# Altium PCB PowerSupply-Motherboard.PcbDoc (part 2 of 2)
Units mil, origin at the board's own origin, x right, y up, seen from the top; angles counter-clockwise.
Board outline 3937.01 x 1574.8 mil, 4 copper layers (L1, L2, L3, L4), stack 59.72 mil thick; 138 components, 76 nets, 435 pads, 157 vias.
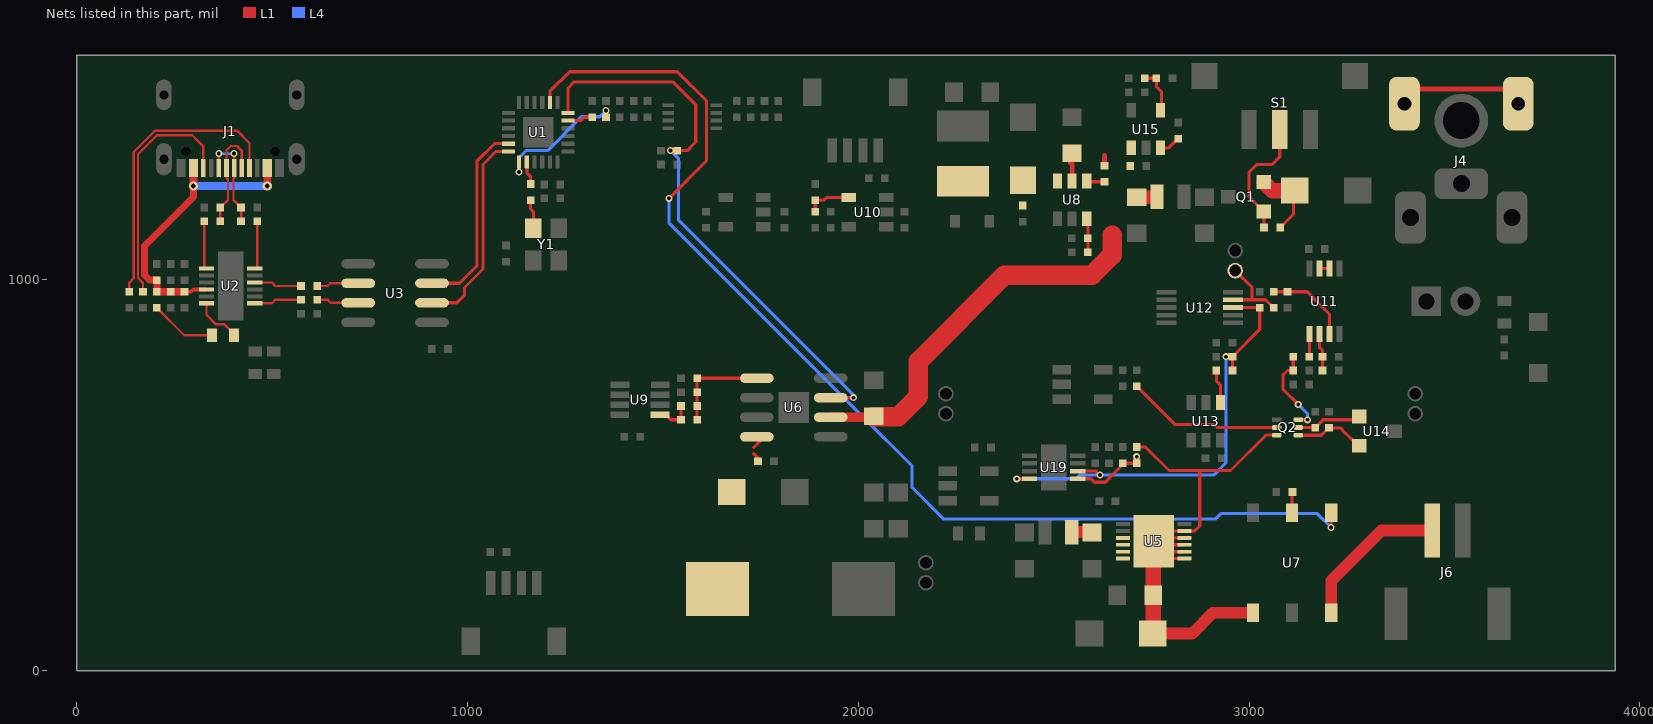
[diagram p4: the nets of this part, all layers, seen from the top]

## Via types
v1: diameter 18, hole 10, L1 to L4, tented both sides, 118 vias
v2: diameter 23.62, hole 11.81, L1 to L4, tented both sides, 39 vias

## Nets (pads, with @x,y where several pads share a name; then routed paths per layer and width w, separated by ;. In a path a pad name is that pad's centre, name@x,y a point inside that pad or via, vN(x,y) a via of type N, cw(c..) or ccw(c..) an arc to the next point about the centre after c; other vN are vias at no path point) (continued)
NetC33_2: C33.2 R34.2 U11.3 | length 242.1
  L1 w8: R34.2@3062.99,969.49 3091.54,969.49 C33.2@3094.49,972.44 ; C33.2@3098.43,969.49 3148.62,969.49 3173.23,944.88 ; 3153.54,964.57 3205.72,912.39 U11.3@3205.72,861.81
NetC34_2: C34.2 U15.3 | length 49.9
  L1 w8: U15.3@2773.62,1337.6 2794.29,1337.6 C34.2@2814.96,1358.27
NetD1_1: D1.1 R1.1 | length 166.7
  L1 w6: R1.1@204.72,928.15 274.61,858.27 D1.1@342.52,858.27
NetD1_2: D1.2 U2.6 | length 113.7
  L1 w6: U2.6@331.69,939.96 331.69,910.56 356.43,885.83 377.95,885.83 D1.2@397.64,866.14
NetD2_2: D2.2 Q1.3 R20.1 | length 195.6
  L1 w8: R20.1@3079.72,1133.86 3114.17,1168.31 3114.17,1228.35 D2.2@3114.17,1232.28
  L1 w40: Q1.3@3039.37,1248.03 3059.05,1228.35 D2.2@3114.17,1228.35
NetJ1_A5: J1.A5 R10.2 | length 758
  L1 w6: R10.2@133.86,969.49 133.86,992.13 145.23,1003.5 145.23,1326.33 200.79,1381.89 409.45,1381.89 441.91,1349.43 J1.A5@441.91,1286.12
NetJ1_B5: J1.B5 R9.2 | length 612.4
  L1 w6: R9.2@169.29,969.49 169.29,992.13 156.23,1005.19 156.23,1321.58 204.72,1370.08 295.28,1370.08 311.02,1354.33 323.8,1341.55 J1.B5@323.8,1286.12
NetJ4_4: J4.4 J4.5 | length 299
  L1 w12: J4.4@3397.64,1450.79 3435.04,1488.19 J4.5@3681.1,1488.19
NetJ6_1: J6.1 U7.6 | length 397.1
  L1 w25: J6.1@3466.14,359.84 J6.1@3468.5,362.2
  L1 w30: U7.6@3210.24,147.64 3210.24,229.92 3338.58,358.27 J6.1@3468.5,358.27
NetQ1_1: Q1.1 R20.2 S1.2 | length 317
  L1 w8: Q1.1@3031.5,1181.1 3000,1212.6 3000,1275.59 3019.68,1295.28 3059.06,1295.28 3078.74,1314.96 S1.2@3078.74,1384.84 ; Q1.1@3035.43,1177.17 3038.39,1174.21 R20.2@3038.39,1133.86
NetQ2_2: Q2.2 R39.1 | length 401.9
  L1 w8: R39.1@2712.6,727.36 2809.85,630.11 2910.48,630.11 2918.55,622.05 Q2.2@3070.87,622.05
NetQ2_4: Q2.4 R45.2 U14.2 | length 194.2
  L1 w8: Q2.4@3125.98,602.36 3125.98,602.22 3184.9,602.22 R45.2@3200.79,618.11 ; R45.2@3204.72,621.06 3233.27,621.06 3248.03,606.3 ; 3236.22,618.11 3279.15,575.18 U14.2@3281.71,575.18
NetQ2_5: Q2.5 R35.2 U14.1 | length 159.8
  L1 w8: Q2.5@3125.98,622.05 R35.2@3169.29,622.05 ; R35.2@3169.29,621.06 3189.96,641.73 3271.65,641.73 U14.1@3275.59,637.8
NetQ2_6: Q2.6 R30.1 R33.2 | length 228.1
  L1 w8: R33.2@3110.24,799.21 3113.19,796.26 R30.1@3113.19,767.72 3098.43,767.72 3086.61,755.91 3086.61,720.47 v1(3125.98,681.1) ; Q2.6@3125.98,641.73 v1(3149.61,641.73)
  L4 w8: v1(3125.98,681.1) 3149.61,657.48 v1(3149.61,641.73)
NetR2_1: R2.1 U1.1 | length 331.2
  L1 w8: v1(1131.89,1275.59) U1.1@1131.89,1297.24
  L4 w8: v1(1131.89,1275.59) 1131.89,1312.99 1141.73,1322.83 1149.61,1330.71 1204.72,1330.71 1291.34,1417.32 1338.58,1417.32 v1(1354.33,1433.07)
NetR3_1: R3.1 U1.11 | length 65.3
  L1 w8: U1.11@1257.28,1407.48 1289.37,1407.48 1298.23,1416.34 R3.1@1318.9,1416.34
NetR8_2: R8.2 U2.12 | length 122.9
  L1 w6: U2.12@460.63,1027.56 461.61,1028.54 461.61,1148.62 R8.2@460.63,1149.61
NetR11_2: R11.2 U2.1 | length 124.5
  L1 w6: U2.1@322.83,1027.56 325.79,1030.51 325.79,1146.65 R11.2@322.83,1149.61
NetR13_1: R13.1 U3.7 | length 105
  L1 w6: R13.1@618.11,948.82 641.73,948.82 649.37,941.18 U3.7@719.96,941.18
NetR13_2: R13.2 U2.7 | length 121.8
  L1 w6: U2.7@455.71,939.96 499.02,939.96 500,940.94 507.87,948.82 R13.2@573.82,948.82
NetR14_1: R14.1 U3.6 | length 112.6
  L1 w6: R14.1@610.24,984.25 R14.1@615.16,984.25 641.73,984.25 648.66,991.18 U3.6@719.96,991.18
NetR14_2: R14.2 U2.10 | length 122.8
  L1 w6: U2.10@455.71,993.11 499.02,993.11 507.87,984.25 R14.2@573.82,984.25 ; R14.2@573.82,980.32 R14.2@574.8,980.32
NetR16_1: R16.1 Y1.3 | length 74.5
  L1 w8: R16.1@1161.42,1203.74 1161.42,1181.1 1168.29,1174.23 Y1.3@1168.29,1132.05
NetR16_2: R16.2 U1.2 | length 57.8
  L1 w8: U1.2@1151.57,1301.77 1151.57,1273.62 1161.42,1263.78 R16.2@1161.42,1248.03
NetR22_2: R22.2 R23.2 R24.2 R25.1 U6.5 | length 245.1
  L1 w8: R24.2@1586.61,677.17 1587.6,676.18 R25.1@1587.6,641.73 ; R23.2@1586.61,712.6 1587.6,711.61 R24.2@1587.6,677.17 ; R23.2@1587.6,712.6 1587.6,745.08 R22.2@1590.55,748.03 ; R22.2@1587.6,748.03 U6.5@1724.41,748.03
NetR24_1: R24.1 R25.2 U9.1 | length 75.2
  L1 w8: U9.1@1507.87,653.54 1519.68,641.73 R25.2@1546.26,641.73 1546.26,672.24 R24.1@1547.24,673.23
NetR26_2: R26.2 U7.2 | length 53.1
  L1 w8: U7.2@3110.24,403.54 R26.2@3110.24,456.69
NetR27_2: R27.2 R28.1 U11.2 | length 97.8
  L1 w8: U11.2@3180.12,861.81 3180.12,827.76 3187.99,819.88 R27.2@3187.99,803.15 ; R28.1@3187.99,767.72 3187.99,802.17 R27.2@3188.98,803.15
NetR29_2: R29.2 U8.4 | length 43.7
  L1 w8: U8.4@2586.61,1251.97 2587.6,1250.98 R29.2@2629.92,1250.98
NetR31_1: R31.1 R36.1 U10.4 | length 112.5
  L1 w8: R31.1@1889.76,1174.21 R36.1@1889.76,1203.74 R36.1@1889.76,1204.72 ; R36.1@1893.7,1204.72 1913.39,1204.72 1919.29,1210.63 1970.47,1210.63 U10.4@1972.44,1208.66
NetR32_1: R32.1 R37.1 U8.3 | length 89.1
  L1 w8: U8.3@2582.68,1153.54 2587.6,1148.62 R37.1@2587.6,1106.3 R32.1@2587.6,1070.87 2587.6,1067.91 R32.1@2586.61,1066.93
NetR33_1: R33.1 U11.1 | length 55.5
  L1 w8: U11.1@3153.54,858.27 3154.53,857.28 R33.1@3154.53,803.15
NetR41_2: R41.2 U13.1 | length 86.2
  L1 w8: R41.2@2916.34,767.72 2916.34,741.14 2921.26,736.22 2927.16,730.32 U13.1@2927.16,686.03
NetR44_1: R44.1 R46.1 U15.4 | length 110.6
  L1 w8: R44.1@2733.27,1515.75 R46.1@2759.84,1515.75 ; R46.1@2762.8,1515.75 2762.8,1494.94 2775.59,1482.15 U15.4@2775.59,1437.01
NetU11_6: U11.6 U11.7 | length 25.1
  L1 w8: U11.7@3180.12,1028.74 3203.54,1028.74 U11.6@3204.72,1027.56
OUT_EN: U1.14 U7.1 | length 2926.9
  L1 w8: U1.14@1210.63,1454.13 1210.63,1482.28 1261.03,1532.69 1536.88,1532.69 1611.43,1458.14 1611.43,1304.34 v1(1515.75,1208.66) ; v1(3210.24,366.14) 3210.24,395.28 U7.1@3212.6,397.64
  L4 w8: v1(1515.75,1208.66) 1515.75,1145.21 2011.36,649.61 2011.81,649.61 2137.8,523.62 2137.8,468.5 2218.79,387.51 2913.77,387.51 2927.83,401.57 3174.8,401.57 v1(3210.24,366.14)
PWR_EN: R21.1 U1.12 U6.3 | length 1451
  L1 w8: U1.12@1257.28,1427.17 1257.28,1490.87 1273.1,1506.69 1524.81,1506.69 1583.87,1447.63 1583.87,1352.77 1561.8,1330.71 R21.1@1536.42,1330.71 ; U6.3@1952.76,696.85 1954.13,698.23 v1(1988.19,698.23)
  L1 w18: v1(1519.68,1330.71) R21.1@1535.43,1330.71
  L4 w8: v1(1519.68,1330.71) 1539.37,1311.02 1539.37,1153.54 1988.19,704.72 v1(1988.19,698.23)
SWA: C26.1 D6.2 L4.1 U8.6
SWB: C15.1 D4.2 L3.1 U6.8 | length 50.1
  L1 w8: 1732.28,555.12 C15.1@1748.03,539.37 ; 1732.28,570.87 U6.8@1751.97,590.55
USB_N: C12.2 J1.A7 J1.B7 R11.1 | length 285
  L1 w6: C12.2@366.14,1185.04 367.13,1184.06 R11.1@367.13,1149.61 ; C12.2@367.13,1185.04 386.7,1204.61 386.7,1256.64 382.86,1260.48 J1.A7@382.86,1286.12 382.86,1331.68 393.7,1342.52 409.45,1342.52 422.23,1329.74 J1.B7@422.23,1286.12
USB_P: C11.2 J1.A6 J1.B6 R8.1 | length 244.7
  L1 w6: J1.B6@362.2,1295.28 363.17,1296.24 v1(363.17,1322.83) ; J1.A6@401.57,1291.34 402.54,1292.31 v1(402.54,1322.83) ; J1.A6@402.54,1286.12 402.54,1260.48 400.7,1258.64 400.7,1204.61 C11.2@420.28,1185.04 ; R8.1@420.28,1149.61 420.28,1184.06 421.26,1185.04 C11.2@420.77,1185.53
  L4 w6: v1(363.17,1322.83) v1@401.57,1322.83
USB_RX: U1.23 U3.3 | length 500.8
  L1 w8: U3.3@908.94,991.18 979.37,991.18 1023.62,1035.43 1023.62,1303.15 1068.9,1348.43 U1.23@1104.92,1348.43
USB_TX: U1.24 U3.2 | length 524.9
  L1 w8: U3.2@908.94,941.18 972.68,941.18 992.13,960.63 992.13,980.32 1039.37,1027.56 1039.37,1295.28 1072.83,1328.74 U1.24@1104.92,1328.74
V+: C20.2 C21.2 C32.2 C41.2 L1.2 R29.1 U6.2 U8.5 U15.1 | length 1120.4
  L1 w12: 2543.31,1299.21 2547.25,1295.27 U8.5@2547.25,1252.95 ; R29.1@2629.92,1292.32 2629.92,1318.9
  L1 w25: U6.2@1929.28,648.23 2036.81,648.23 C21.2@2039.37,645.67 ; C20.2@2711.61,1217.52 C20.2@2712.6,1216.54 ; L1.2@2762.8,1211.61 L1.2@2763.78,1212.6
  L1 w35: C20.2@2712.6,1211.61 L1.2@2762.8,1211.61
  L1 w50: C21.2@2039.37,649.61 2102.36,649.61 2153.54,700.79 2153.54,791.34 2374.02,1011.81 2594.49,1011.81 ; 2598.43,1011.81 2649.61,1062.99 2649.61,1114.17
VBUS: C1.2 C5.2 J1.A4_B9 J1.B4_A9 R1.2 R15.1 U2.4 | length 750.9
  L1 w10: C5.2@275.59,969.49 292.32,969.49 298.23,975.39 U2.4@331.69,975.39
  L1 w18: R1.2@204.72,969.49 239.17,969.49 C1.2@240.16,968.5 ; R1.2@204.72,972.44 R15.1@204.72,999.02 186.29,999.02 186.29,999.17 173.23,1012.23 173.23,1086.61 298.23,1211.61 v2(298.23,1240.16) ; C1.2@240.16,969.49 270.67,969.49 C5.2@271.65,968.5
  L1 w20: J1.B4_A9@298.23,1286.12 298.23,1241.14 v2@299.21,1240.16 ; v2@487.2,1241.14 J1.A4_B9@487.2,1286.12
  L4 w20: v2(298.23,1240.16) v2(487.2,1240.16) v2@488.19,1240.16
VIN: C17.2 L2.2 U5.9 U5.10 U5.11 U5.12 | length 52.2
  L1 w30: L2.2@2546.26,354.33 C17.2@2598.43,354.33
VOUT: C18.2 D3.2 Q2.3 R38.2 U5.1 U5.2 U5.3 U5.4 U5.5 U5.13 U7.4 | length 1296.9
  L1 w8: R38.2@2712.6,571.85 2735.24,571.85 2795.28,511.81 2952.76,511.81 3043.31,602.36 Q2.3@3070.87,602.36 ; U5.13@2787.4,291.34 2792.32,286.42 U5.1@2834.65,286.42 ; U5.13@2791.34,303.15 2792.32,304.13 U5.2@2834.65,304.13 ; U5.13@2795.28,358.27 2796.26,357.28 U5.5@2834.65,357.28 2861.22,357.28 2874.02,370.08 2874.02,511.81 ; U5.13@2799.21,318.9 2802.17,321.85 U5.3@2834.65,321.85 ; U5.13@2803.15,338.58 2804.13,339.57 U5.4@2834.65,339.57
  L1 w25: D3.2@2754.92,99.41 D3.2@2755.91,98.43
  L1 w30: D3.2@2753.23,94.49 2854.33,94.49 2907.48,147.64 U7.4@3010.24,147.64
  L1 w40: D3.2@2754.92,99.41 C18.2@2754.92,192.91 2754.92,306.1 U5.13@2755.91,307.09
VREF: C35.2 C37.2 R41.1 U12.3 U19.2 U19.8 | length 1179.4
  L1 w8: v1(2405.51,490.79) U19.8@2426.54,490.79 ; U19.2@2562.06,510.46 2603.71,510.46 2607.65,510.46 v1(2618.11,500) v1@2614.17,500 ; R41.1@2957.68,767.72 C37.2@2957.68,802.17 ; C37.2@2957.68,803.15 3027.56,873.03 C35.2@3027.56,928.15 C35.2@3027.56,929.13 ; U12.3@2958.67,929.13 C35.2@3023.62,929.13
  L1 w18: v1(2940.94,803.15) C37.2@2956.69,803.15
  L4 w8: v1(2405.51,490.79) 2557.72,490.79 2566.93,500 v1(2618.11,500) 2909.45,500 2940.94,531.5 v1(2940.94,803.15)
VSENSE: R38.1 R43.1 U19.1 | length 187.6
  L1 w8: U19.1@2562.06,490.78 2595.84,490.78 2604.61,482 2631.61,482 2673.23,523.62 R43.1@2673.23,527.56 ; R43.1@2677.17,530.51 2711.61,530.51 R38.1@2712.6,531.5
  L1 w18: R38.1@2712.6,531.5 v1(2712.6,547.24)
"VSET OUT": R34.1 TP3.1 U12.4 | length 205.6
  L1 w8: U12.4@2958.67,948.82 3007.87,948.82 ; TP3.1@2964.57,1023.62 3007.87,980.31 3007.87,948.82 ; R34.1@3062.99,928.15 3042.32,948.82 3007.87,948.82
pads on no net: J1. J1.A8 J1.B8 J4.0 J6.S1 J6.S2 S1.3 S1.4 S1.5 U1.3 U1.8 U1.15 U1.17 U1.18 U1.19 U1.20 U1.21 U1.22 U2.8 U2.11 U6.4 U7.3 U7.5 U9.8 U16.4 Y1.1

## Polygon pours and split planes (outlines as drawn)
VIN on L1 "L1-VIN" (solid, pour order 38): 2696.85,279.53 2629.35,279.53 2598.14,307.09 2598.14,378.24 2649.75,378.24 2649.75,358.7 2661.42,347.03 2696.85,347.03
GND on L1 "L1-GND" (solid, remove dead copper, pour order 40): 0,0 0,1574.8 3937.01,1574.8 3937.01,0
V+ on L1 "L1-V+" (solid, pour order 16): 2523.62,1299.21 2535.43,1287.4 2535.43,1271.65 2559.06,1271.65 2559.06,1287.4 2578.74,1307.09 2637.8,1307.09 2645.67,1299.21 2645.67,1240.16 2637.8,1232.28 2622.05,1232.28 2614.17,1224.41 2614.17,1098.43 2629.92,1082.68 2669.29,1082.68 2681.1,1094.49 2681.1,1181.1 2688.98,1188.98 2736.22,1188.98 2736.22,1248.03 2704.72,1279.53 2704.72,1314.96 2712.6,1322.83 2712.6,1358.27 2531.5,1358.27 2523.62,1350.39
CS+ on L1 "L1-CS+" (solid, pour order 36): 2244.09,322.83 2232.28,311.02 2122.05,311.02 2110.24,299.21 2110.24,137.8 2096.46,127.95 1929.13,127.95 1919.29,137.8 1921.26,303.15 1933.07,314.96 1933.07,377.95 1944.88,389.76 2232.28,389.76 2244.09,377.95
SWB on L1 "L1-SWB" (solid, pour order 30): 1545.28,137.8 1564.96,118.11 1722.44,118.11 1742.13,137.8 1742.13,275.59 1722.44,295.28 1722.44,511.81 1742.13,531.5 1742.13,610.24 1584.65,610.24 1564.96,590.55 1564.96,413.39 1545.28,393.7
SWA on L1 "L1-SWA" (solid, pour order 8): 2440.94,1181.1 2511.81,1181.1 2523.62,1192.91 2523.62,1279.53 2511.81,1291.34 2200.79,1291.34 2188.98,1279.53 2188.98,1192.91 2200.79,1181.1 2401.57,1181.1
+5.5V on L1 "L1-+5.5V" (solid, pour order 10): 2204.72,1350.39 2196.85,1358.27 2196.85,1527.56 2204.73,1535.43 2271.65,1535.43 2279.53,1527.56 2279.53,1444.88 2291.34,1433.07 2334.65,1433.07 2342.52,1425.2 2342.52,1358.27 2334.65,1350.39
GND on L2 "L2-GND_Plane" (solid, remove dead copper, pour order 42): 0,0 0,1574.8 3937.01,1574.8 3937.01,0
EARTH on L2 "L2-EARTH" (solid, pour order 39): 0,1574.8 807.09,1574.8 807.09,846.46 748.03,787.4 0,787.4
GND on L3 "L3-GND_Plane" (solid, remove dead copper, pour order 44): 0,0 0,1574.8 3937.01,1574.8 3937.01,0
GND on L4 "L4-GND" (solid, remove dead copper, pour order 45): 0,0 0,1574.8 3937.01,1574.8 3937.01,0

## Keep-outs
L1:
  circle w5: c982.12,1379.92 r43
  circle w5: c3738.03,1025.59 r43
  circle w5: c1375.82,198.82 r43
  region: 118.11,1574.8 0,1574.8 0,0 118.11,0
  region: 3937.01,1574.8 3818.9,1574.8 3818.9,0 3937.01,0
L4:
  region: 3937.01,1574.8 3818.9,1574.8 3818.9,0 3937.01,0
Keep-Out Layer:
  region: 118.11,1574.8 0,1574.8 0,0 118.11,0

## Other copper
L1:
  rectangle net GND: 2303.15,1460.63 2334.65,1496.06
  rectangle net GND: 2531.5,1374.02 2562.99,1405.51
  rectangle net GND: 2023.62,696.85 2059.06,728.35
  rectangle net GND: 1787.4,433.07 1830.71,472.44
  rectangle net GND: 2023.62,417.32 2051.18,440.94
  rectangle net GND: 2086.61,421.26 2122.05,452.76
  rectangle net GND: 2618.11,78.74 2665.35,114.17
  rectangle net GND: 2677.17,185.04 2704.72,204.72
  rectangle net GND: 2578.74,263.78 2618.11,307.09
  rectangle net GND: 2409.45,267.72 2440.94,311.02
  rectangle net GND: 2874.02,1137.8 2901.57,1165.35
  rectangle net GND: 2700.79,1137.8 2724.41,1165.35
  rectangle net V+: 2633.86,1287.4 2657.48,1314.96
  pour cut-out: 1102.36,830.71 1137.8,830.71 1137.8,326.77 1102.36,326.77
  pour cut-out: 433.07,767.72 433.07,791.34 531.5,791.34 531.5,767.72
  pour cut-out: 2413.39,586.61 2586.61,586.61 2586.61,452.76 2413.39,452.76
  pour cut-out: 1074.8,1271.65 1074.8,1484.25 1287.4,1484.25 1287.4,1271.65
  pour cut-out: 0,1574.8 0,787.4 777.56,787.4 814.96,824.8 814.96,1574.8
  region: 990.39,1410.69 990.7,1409.92 990.7,1388.5 1012.12,1388.5 1012.89,1388.19 1013.2,1387.42 1013.2,1372.42 1012.89,1371.66 1012.12,1371.34 990.7,1371.34 990.7,1349.92 990.39,1349.16 989.62,1348.84 974.62,1348.84 973.85,1349.16 973.54,1349.92 973.54,1371.34 952.12,1371.34 951.35,1371.66 951.04,1372.42 951.04,1387.42 951.35,1388.19 952.12,1388.5 973.68,1388.5 973.54,1409.91 973.54,1409.92 973.69,1410.3 973.85,1410.68 973.85,1410.69 974.23,1410.84 974.61,1411 974.62,1411 989.62,1411
  region: 3746.29,1056.36 3746.61,1055.59 3746.61,1034.17 3768.03,1034.17 3768.79,1033.86 3769.11,1033.09 3769.11,1018.09 3768.79,1017.33 3768.03,1017.01 3746.61,1017.01 3746.61,995.59 3746.29,994.83 3745.53,994.51 3730.53,994.51 3729.76,994.83 3729.44,995.59 3729.44,1017.01 3708.03,1017.01 3707.26,1017.33 3706.94,1018.09 3706.94,1033.09 3707.26,1033.86 3708.03,1034.17 3729.59,1034.17 3729.44,1055.58 3729.44,1055.59 3729.6,1055.97 3729.76,1056.35 3729.76,1056.36 3730.14,1056.51 3730.52,1056.67 3730.53,1056.67 3745.53,1056.67
  region: 1384.09,229.58 1384.4,228.82 1384.4,207.4 1405.82,207.4 1406.59,207.08 1406.9,206.32 1406.9,191.32 1406.59,190.55 1405.82,190.24 1384.4,190.24 1384.4,168.82 1384.09,168.05 1383.32,167.74 1368.32,167.74 1367.56,168.05 1367.24,168.82 1367.24,190.24 1345.82,190.24 1345.06,190.55 1344.74,191.32 1344.74,206.32 1345.06,207.08 1345.82,207.4 1367.38,207.4 1367.24,228.81 1367.24,228.82 1367.39,229.2 1367.55,229.58 1367.56,229.58 1367.93,229.74 1368.31,229.9 1368.32,229.9 1383.32,229.9
L4:
  pour cut-out: 0,1574.8 0,787.4 777.56,787.4 814.96,824.8 814.96,1574.8

## Silkscreen, mask and mechanical layers (free items; w line width, h text height)
Top Overlay:
  drawing of 244 lines, arcs and shapes, not listed
  text "ON" at 2854.33,1338.58 h40
  text "OFF" at 3208.66,1338.58 h40
  text "S" at 610.24,1141.73 h200
  text "GND" at 3000,1055.12 h40
  text "DAC" at 3000,1003.94 h40
  text "GND" at 2259.84,688.98 h40
  text "SET" at 3460.63,688.98 h40
  text "ISENSE" at 2259.84,637.8 h40
  text "GND" at 3460.63,637.8 h40
  text ".DocNumber" at 196.85,570.87 h120
  text "Rev" at 975.22,565.93 h60
  text ".Rev" at 1222.84,565.93 h60
  text ".Title1" at 196.85,452.76 h72
  text "Designed by Kyler Kidd" at 196.85,334.65 h80
  text "VREG" at 2208.66,255.91 h40
  text "CAUTION" at 519.68,216.54 h60
  text "GND" at 2208.66,204.72 h40
  text "VOUT" at 3779.53,118.11 h60 r90
  text "Handle assembly in / accordance with ESD / safe practices" at 519.68,88.43 h45
  text "I2C" at 1299.21,39.37 h60
Bottom Overlay:
  text "KJK 11/17/2022" at 944.88,39.37 h60
Top Solder:
  circle w10: c1375.98,198.82 r39.42
  circle w10: c982.28,1379.92 r39.42
  circle w10: c3738.19,1025.59 r39.42
  rectangle: 1338.58,182.09 1412.4,216.54
  rectangle: 1359.25,158.46 1390.75,239.17
  rectangle: 1345.47,215.55 1406.5,230.32
  rectangle: 1344.49,167.32 1406.5,183.07
  rectangle: 944.88,1363.19 1018.7,1397.64
  rectangle: 965.55,1339.57 997.05,1420.28
  rectangle: 951.77,1396.65 1012.8,1411.42
  rectangle: 950.79,1348.43 1012.8,1364.17
  rectangle: 3700.79,1008.86 3774.61,1043.31
  rectangle: 3721.46,985.24 3752.95,1065.94
  rectangle: 3707.68,1042.32 3768.7,1057.09
  rectangle: 3706.69,994.09 3768.7,1009.84
  region: 990.39,1410.69 990.7,1409.92 990.7,1388.5 1012.12,1388.5 1012.89,1388.19 1013.2,1387.42 1013.2,1372.42 1012.89,1371.66 1012.12,1371.34 990.7,1371.34 990.7,1349.92 990.39,1349.16 989.62,1348.84 974.62,1348.84 973.85,1349.16 973.54,1349.92 973.54,1371.34 952.12,1371.34 951.35,1371.66 951.04,1372.42 951.04,1387.42 951.35,1388.19 952.12,1388.5 973.68,1388.5 973.54,1409.91 973.54,1409.92 973.69,1410.3 973.85,1410.68 973.85,1410.69 974.23,1410.84 974.61,1411 974.62,1411 989.62,1411
  region: 3746.29,1056.36 3746.61,1055.59 3746.61,1034.17 3768.03,1034.17 3768.79,1033.86 3769.11,1033.09 3769.11,1018.09 3768.79,1017.33 3768.03,1017.01 3746.61,1017.01 3746.61,995.59 3746.29,994.83 3745.53,994.51 3730.53,994.51 3729.76,994.83 3729.44,995.59 3729.44,1017.01 3708.03,1017.01 3707.26,1017.33 3706.94,1018.09 3706.94,1033.09 3707.26,1033.86 3708.03,1034.17 3729.59,1034.17 3729.44,1055.58 3729.44,1055.59 3729.6,1055.97 3729.76,1056.35 3729.76,1056.36 3730.14,1056.51 3730.52,1056.67 3730.53,1056.67 3745.53,1056.67
  region: 1384.09,229.58 1384.4,228.82 1384.4,207.4 1405.82,207.4 1406.59,207.08 1406.9,206.32 1406.9,191.32 1406.59,190.55 1405.82,190.24 1384.4,190.24 1384.4,168.82 1384.09,168.05 1383.32,167.74 1368.32,167.74 1367.56,168.05 1367.24,168.82 1367.24,190.24 1345.82,190.24 1345.06,190.55 1344.74,191.32 1344.74,206.32 1345.06,207.08 1345.82,207.4 1367.38,207.4 1367.24,228.81 1367.24,228.82 1367.39,229.2 1367.55,229.58 1367.56,229.58 1367.93,229.74 1368.31,229.9 1368.32,229.9 1383.32,229.9
Mechanical 1:
  the board outline again, w10
ASSY_TOP:
  drawing of 322 lines, arcs and shapes, not listed
  text "SH" at 16220.59,10970.97 h100
  text "DWG NO" at 13261.83,10954.66 h100
  text ".DocNumber" at 13917.4,10842.82 h120
  text "2" at -7302.88,10823.61 h200
  text "4" at 1203.92,10823.61 h200
  text "8" at 17910.94,10823.61 h200
  text "1" at -11544.14,10817.32 h200
  text "3" at -3051.15,10817.32 h200
  text "5" at 5455.86,10817.32 h200
  text "6" at 9705.75,10817.32 h200
  text "1" at 16417.4,10802.82 h120
  text "REVISION HISTORY" at 14297.4,10551.71 h100
  text "REV" at 13337.4,10312.82 h100
  text "DESCRIPTION" at 15137.4,10312.82 h100
  text "DATE" at 17437.4,10312.82 h100
  text "APPROVED" at 18637.4,10312.82 h100
  text ".Hist1Rev" at 13373.03,10131.71 h100
  text ".Hist1Desc" at 13837.4,10112.82 h100
  text ".Hist1Date" at 17137.4,10112.82 h100
  text ".Hist1Appr" at 18337.4,10112.82 h100
  text "NOTES" at -12062.6,10062.6 h400
  text ".Hist2Rev" at 13373.03,9910.71 h100
  text ".Hist2Desc" at 13837.4,9891.82 h100
  text ".Hist2Date" at 17137.4,9891.82 h100
  text ".Hist2Appr" at 18337.4,9891.82 h100
  text "1. DIMENSIONING AND TOLERANCING PER ASME Y14.5M-1994" at -12062.6,9762.6 h200
  text ".Hist3Rev" at 13373.03,9690.71 h100
  text ".Hist3Desc" at 13837.4,9671.82 h100
  text ".Hist3Date" at 17137.4,9671.82 h100
  text ".Hist3Appr" at 18337.4,9671.82 h100
  text "2. INTERPRET PER ASME Y14.100M" at -12062.6,9462.6 h200
  text "3. ASSEMBLE PER IPC-A-610, CLASS 2" at -12062.6,9162.6 h200
  text "4. SOLDER PER J-STD-001, CLASS 2. USE LEAD-FREE SOLDER" at -12062.6,8862.6 h200
  text "5. ALL PARTS SHOWN MAY NOT BE INSTALLED. FOR SCHEMATIC, SEE SEPARATE PARTS LIST" at -12062.6,8562.6 h200
  text "A" at -13200.38,8317.11 h200
  text "A" at 19803.03,8317.11 h200
  text "6. DATA INCLUDED IN PARENTHESIS IS FOR REFERENCE ONLY" at -12062.6,8262.6 h200
  text "7. FOR COMPONENTS WITH REFERENCE DESIGNATORS, REFER TO PARTS LIST BY REFERENCE DESIGNATION" at -12062.6,7962.6 h200
  text "8. ELECTROSTATIC DISCHARGE CONTROL PROGRAM FOR PROTECTION OF ELECTRICAL AND ELECTRONIC" at -12062.6,7662.6 h200
  text "PARTS, ASSEMBLIES, AND EQUIPMENT SHALL BE PER IPC-610 OR BETTER" at -12062.6,7362.6 h200
  text "9. THE PCB MATERIAL MANUFACTURER'S RECOMMENDATIONS FOR PCB MATERIAL STORAGE, PRE-PROCESS" at -12062.6,7062.6 h200
  text "BAKEOUT, PROCESSING AND MATERIAL HANDLING SHALL BE STRICTLY FOLLOWED DURING ALL ASSEMBLY" at -11862.6,6762.6 h200
  text "PROCESSES. DEVIATION FROM THESE STANDARDS REQUIRES WRITTEN AUTHORIZATION FROM OCEAN OPTICS, INC" at -11862.6,6462.6 h200
  text "10. MARK LAST 3 DIGITS OF DRAWING NUMBER (-XXX) IN A CLEAR AND LEGIBLE MANNER USING POLYIMIDE BRADY LABEL" at -12162.6,6162.6 h200
  text "11. MARK DOCUMENT REVISION IN A CLEAR AND LEGIBLE MANNER USING POLYIMIDE BRADY LABEL" at -12162.6,5862.6 h200
  text "12. ALL PROCESSES AND PROCEDURES SHALL BE ROHS COMPLIANT" at -12162.6,5562.6 h200
  text "13. COMPLETED CIRCUIT CARD ASSEMBLIES SHALL BE PACKAGED INDIVIDUALLY" at -12162.6,5262.6 h200
  text "IN STATIC SHIELDING PACKAGING IN ACCORDANCE WITH ANSI/ESD-S-20.20" at -11862.6,4962.6 h200
  text "B" at -13202.36,2810.84 h200
  text "B" at 19801.05,2810.84 h200
  text "C" at -13179.35,-2680.24 h200
  text "C" at 19824.06,-2680.24 h200
  text "Dimensions in mm" at 17114.17,-4354.33 h250
  text "Scale  3:1" at 11181.1,-4606.3 h500
  text "SEE SEPARATE PARTS LIST." at 9227.4,-7357.18 h400
  text "DFTG" at 10837.4,-7708.29 h100
  text ".NameDftg" at 11357.4,-7708.29 h100
  text ".DateDftg" at 12917.4,-7708.29 h100
  text "UNLESS OTHERWISE SPECIFIED," at 8677.4,-7878.29 h80
  text "MATERIAL:" at 6190.4,-7887.18 h100
  text "ENG" at 10837.4,-7968.29 h100
  text ".NameEng" at 11357.4,-7968.29 h100
  text ".DateEng" at 12917.4,-7968.29 h100
  text "INCHES" at 10097.4,-8017.18 h80
  text "DIMENSIONS ARE IN" at 8677.4,-8018.29 h80
  text "D" at -13189.27,-8180.22 h200
  text "D" at 19814.13,-8180.22 h200
  text "MECH" at 10837.4,-8188.29 h100
  text "*" at 11357.4,-8208.29 h100
  text "*" at 12917.4,-8208.29 h100
  text "TITLE:" at 14451.98,-8288.3 h100
  text "TOLERANCES:" at 8677.4,-8328.29 h100
  text "SEE NOTES" at 6262.4,-8407.18 h100
  text "MFG" at 10837.4,-8448.29 h100
  text "*" at 11357.4,-8448.29 h100
  text "*" at 12917.4,-8468.29 h100
  text ".X +/- 0.1" at 8717.4,-8508.29 h100
  text ".XX +/- 0.01" at 8717.4,-8628.29 h100
  text ".TitleCCA" at 14712.4,-8642.18 h220
  text ".XXX +/- 0.001" at 8717.4,-8748.29 h100
  text ".Title0" at 16287.4,-9037.4 h220
  text "THIRD ANGLE PROJECTION" at 6247.4,-9203.18 h100
  text "ALL SHEETS ARE THE" at 8857.4,-9364.51 h100
  text ".Title1" at 15237.4,-9387.4 h220
  text "SAME REVISION STATUS" at 8764.9,-9544.51 h100
  text "SIZE" at 14457.4,-9668.29 h100
  text "DRAWING NUMBER" at 14837.4,-9668.29 h100
  text "REV" at 19052.83,-9729.35 h120
  text "D" at 14459.06,-9976.99 h200
  text ".DocNumber" at 14837.4,-9987.18 h260
  text ".Rev" at 19037.4,-9987.18 h200
  text "1" at 18437.4,-10187.18 h100
  text "2" at 19037.4,-10187.18 h100
  text "1:1" at 14987.4,-10197.18 h100
  text "SCALE" at 14435.22,-10204.05 h100
  text "SHEET   OF" at 17817.38,-10212.52 h100
  text "8" at 18127.4,-10627.18 h200
  text "1" at -11537.6,-10637.18 h200
  text "2" at -7302.88,-10676.3 h200
  text "4" at 1203.92,-10676.3 h200
  text "3" at -3051.15,-10682.59 h200
  text "5" at 5455.86,-10682.59 h200
  text "6" at 9705.75,-10682.59 h200
  text "7" at 13956.67,-10682.59 h200
Drill Drawing:
  lines w15: -10481.02,-7937.18 -10481.02,-7637.18 ; -9783.2,-7937.18 -9783.2,-7637.18 ; -8437.6,-7937.18 -8437.6,-7637.18 ; -7931.72,-7937.18 -7931.72,-7637.18 ; -11031.89,-7937.18 -7152.92,-7937.18 -7152.92,-7637.18 -11031.89,-7637.18 -11031.89,-7937.18 ; -11031.89,-7787.18 -7152.92,-7787.18 -11031.89,-7787.18
  text "Symbol" at -10941.89,-7742.18 h72
  text "Hit Count" at -10436.02,-7742.18 h72
  text "Finished Hole Size" at -9738.2,-7742.18 h72
  text "Plated" at -8392.6,-7742.18 h72
  text "Hole Type" at -7886.72,-7742.18 h72
ASSY_BOT:
  lines w7.8: -12457.17,10292.82 -6169.17,10292.82 ; -12457.17,10492.82 -6169.17,10492.82 ; -11154.17,10297.82 -11153.96,10712.73 ; -9869.17,10277.82 -9869.17,10712.82 ; -6669.17,10067.82 -6669.17,10712.82 ; -13462.6,-10779.4 -13462.6,11212.82 ; -13462.6,-10779.4 20530.83,-10779.4 ; -13462.6,-10779.4 20530.83,-10779.4 ; -13462.6,-10779.4 -13462.6,11212.82 ; -13462.6,11212.82 20530.83,11212.82 ; -13462.6,11212.82 20530.83,11212.82 ; 20530.83,-10779.4 20530.83,11212.82 ; 20530.83,-10779.4 20530.83,11212.82
  lines w23.6: -13219.76,-5037.3 -12469.76,-5037.3 ; -13219.76,5712.66 -12469.76,5712.66 ; -12469.78,10712.62 -12469.78,-10287.28 ; -12469.76,-9537.28 -7349.78,-9537.28 ; -11878.78,-10037.28 -11878.78,-9537.28 ; -10719.78,-10287.28 -10719.78,-10037.28 ; -9219.78,-10662.27 -9219.78,-10287.28 ; -7349.79,-10282.18 -7349.79,-9552.28 ; -6173.96,10042.82 -6173.96,10712.73 ; -4969.79,-10662.27 -4969.79,-10287.28 ; -4969.79,10712.62 -4969.79,11087.62 ; -719.8,-10662.27 -719.8,-10287.28 ; -719.8,10712.62 -719.8,11087.62 ; 7780.19,-10662.27 7780.19,-10287.28 ; 7780.19,10712.62 7780.19,11087.62 ; 12030.18,-10662.27 12030.18,-10287.28 ; 16280.17,-10662.27 16280.17,-10287.28 ; 16280.17,10712.62 16280.17,11087.62 ; 19530.16,5712.66 20280.16,5712.66 ; 19530.16,10712.73 -12470.28,10712.73 ; 19555.16,-5037.3 20305.16,-5037.3 ; -12470.28,10712.73 -12470.28,9906.55 -12470.28,10712.73 ; -12469.78,-10287.28 19530.16,-10287.28 ; -12469.78,-10287.28 19530.16,-10287.28 ; -12469.78,-10287.28 19530.16,-10287.28 ; -12469.78,-10287.28 19530.16,-10287.28 ; -12469.76,-10037.28 -7349.78,-10037.28 ; -12469.76,-10037.28 -7349.78,-10037.28 ; -12469.76,-10037.28 -7349.78,-10037.28 ; -12469.76,-10037.28 -7349.78,-10037.28 ; -9619.77,10712.62 -9619.77,11092.62 ; -9619.77,10712.62 -9619.77,11092.62 ; -9619.77,10712.62 -9619.77,11092.62 ; -9619.77,10712.62 -9619.77,11092.62 ; -9619.77,10712.62 -9619.77,11092.62 ; -9619.77,10712.62 -9619.77,11092.62 ; -9619.77,10712.62 -9619.77,11092.62 ; -9619.77,10712.62 -9619.77,11092.62 ; -9619.77,11092.62 -6173.17,11092.62 ; -9619.77,11092.62 -6369.78,11092.62 -9619.77,11092.62 ; -9619.77,11092.62 -6173.17,11092.62 ; -9119.77,10712.62 -9119.77,11092.62 ; -9119.77,10712.62 -9119.77,11092.62 ; -9119.77,10712.62 -9119.77,11092.62 ; -9119.77,10712.62 -9119.77,11092.62 ; -6173.17,11092.62 -6173.17,10712.62 -6173.17,11092.62 ; 12030.18,10712.62 12030.18,11087.62 ; 12030.18,10712.62 12030.18,11087.62 ; 12030.18,10712.62 12030.18,11087.62 ; 12030.18,10712.62 12030.18,11087.62 ; 19530.16,-10287.28 19530.16,10404.66 19530.16,-10287.28 ; 19530.16,-10287.28 19530.16,10712.62 ; 19530.16,-10287.28 19530.16,10712.62 ; 19530.16,-10287.28 19530.16,10712.62 ; -12869.77,182.68 -12869.77,242.68 -12669.77,242.68 -12669.77,312.68 -12469.78,212.68 -12669.77,112.68 -12669.77,182.68 -12869.77,182.68 ; 3430.21,-10487.27 3530.2,-10287.28 3630.2,-10487.27 3560.21,-10487.27 3560.21,-10687.27 3500.2,-10687.27 3500.2,-10487.27 3430.21,-10487.27 ; 3430.21,10912.62 3530.2,10712.62 3630.2,10912.62 3560.2,10912.62 3560.2,11112.61 3500.2,11112.61 3500.2,10912.62 3430.21,10912.62 ; 19530.16,212.68 19730.17,112.68 19730.17,182.68 19930.17,182.68 19930.17,242.68 19730.17,242.68 19730.17,312.68 19530.16,212.68
  text "SH" at -9152.37,10970.97 h100
  text "DWG NO" at -6193.61,10954.66 h100
  text ".DocNumber" at -6849.17,10842.82 h120
  text "8" at -10842.71,10823.61 h200
  text "4" at 5864.3,10823.61 h200
  text "2" at 14371.11,10823.61 h200
  text "6" at -2637.52,10817.32 h200
  text "5" at 1612.37,10817.32 h200
  text "3" at 10119.38,10817.32 h200
  text "3" at 10119.38,10817.32 h200
  text "1" at 18612.37,10817.32 h200
  text "1" at -9349.17,10802.82 h120
  text "REVISION HISTORY" at -7229.17,10551.71 h100
  text "APPROVED" at -11569.17,10312.82 h100
  text "DATE" at -10369.17,10312.82 h100
  text "DESCRIPTION" at -8069.17,10312.82 h100
  text "REV" at -6269.17,10312.82 h100
  text "SEE SHEET 1" at -6769.17,10112.82 h100
  text "A" at -12734.8,8317.11 h200
  text "A" at 20268.6,8317.11 h200
  text "B" at -12732.82,2810.84 h200
  text "B" at 20270.59,2810.84 h200
  text "C" at -12755.83,-2680.24 h200
  text "C" at 20247.58,-2680.24 h200
  text "Scale  3:1" at 13070.87,-4606.3 h500
  text "D" at -12745.91,-8180.22 h200
  text "D" at 20257.5,-8180.22 h200
  text "REV" at -11984.6,-9729.35 h120
  text ".DocNumber" at -7594.17,-9937.18 h200
  text ".Rev" at -11969.17,-9987.18 h200
  text "2" at -11969.17,-10187.18 h100
  text "SHEET 2 OF" at -10749.15,-10212.52 h100
  text "8" at -11059.17,-10627.18 h200
  text "1" at 18612.4,-10637.18 h200
  text "4" at 5864.3,-10676.3 h200
  text "2" at 14371.11,-10676.3 h200
  text "7" at -6888.45,-10682.59 h200
  text "6" at -2637.52,-10682.59 h200
  text "5" at 1612.37,-10682.59 h200
  text "3" at 10119.38,-10682.59 h200
PCB_SHEET1:
  drawing of 1100 lines, arcs and shapes, not listed
  text "SH" at 16220.59,10970.74 h100
  text "DWG NO" at 13261.83,10954.44 h100
  text "DWG NO" at 13261.83,10954.66 h100
  text ".DocNumberPCB" at 13917.4,10842.6 h120
  text "2" at -7302.88,10823.39 h200
  text "4" at 1203.92,10823.39 h200
  text "8" at 17910.94,10823.39 h200
  text "1" at -11544.14,10817.1 h200
  text "3" at -3051.15,10817.1 h200
  text "5" at 5455.86,10817.1 h200
  text "6" at 9705.75,10817.1 h200
  text "1" at 16417.4,10802.6 h120
  text "REVISION HISTORY" at 14297.4,10551.49 h100
  text "REV" at 13337.4,10312.6 h100
  text "DESCRIPTION" at 15137.4,10312.6 h100
  text "DATE" at 17437.4,10312.6 h100
  text "APPROVED" at 18637.4,10312.6 h100
  text "11" at 1637.4,10162.6 h200
  text "5" at 2017.4,10162.6 h200
  text ".Hist1Rev" at 13373.03,10131.49 h100
  text "LAYER STACKUP:" at 2417.4,10112.6 h400
  text ".Hist1Desc" at 13837.4,10112.6 h100
  text ".Hist1Date" at 17137.4,10112.6 h100
  text ".Hist1Appr" at 18337.4,10112.6 h100
  text "NOTES" at -12062.6,10062.6 h400
  text ".Hist2Rev" at 13373.03,9912.49 h100
  text ".Hist2Desc" at 13837.4,9893.6 h100
  text ".Hist2Date" at 17137.4,9893.6 h100
  text ".Hist2Appr" at 18337.4,9893.6 h100
  text "1. UNLESS OTHERWISE SPECIFIED, DIMENSIONS, TOLERANCES, AND SURFACE TEXTURE APPLY" at -12062.6,9762.6 h200
  text ".Hist3Rev" at 13373.03,9691.49 h100
  text ".Hist3Desc" at 13837.4,9672.6 h100
  text ".Hist3Date" at 17137.4,9672.6 h100
  text ".Hist3Appr" at 18337.4,9672.6 h100
  text "AFTER PLATING OR CHEMICAL FILM TREATMENTS, AND PRIOR TO ORGANIC COATINGS." at -11862.6,9462.6 h200
  text "2. DIMENSIONING AND TOLERANCING PER ASME Y14.5M-1994" at -12062.6,9162.6 h200
  text "Layer" at 1608.6,9067.6 h30
  text "Name" at 1819.55,9067.6 h30
  text "Material" at 2290.43,9067.6 h30
  text "Thickness" at 2726.31,9067.6 h30
  text "Constant" at 3057.23,9067.6 h30
  text "Board Layer Stack" at 3348.16,9067.6 h30
  text "Board Layer Stack" at 3914,9067.6 h30
  text "Board Layer Stack" at 4479.84,9067.6 h30
  text "1" at 1608.6,9007.6 h30
  text "Top Overlay" at 1819.55,9007.6 h30
  text "2" at 1608.6,8947.6 h30
  text "Top Solder" at 1819.55,8947.6 h30
  text "Solder Resist" at 2290.43,8947.6 h30
  text "1.00mil" at 2726.31,8947.6 h30
  text "0" at 3057.23,8947.6 h30
  text "3" at 1608.6,8887.6 h30
  text "L1" at 1819.55,8887.6 h30
  text "Copper" at 2290.43,8887.6 h30
  text "1.70mil" at 2726.31,8887.6 h30
  text "3. PARTS SHALL BE FREE OF BURRS AND SHARP EDGES. BREAK SHARP EDGES .005\" MAX" at -12062.6,8862.6 h200
  text "4" at 1608.6,8827.6 h30
  text "Prepeg" at 1819.55,8827.6 h30
  text "FR408" at 2290.43,8827.6 h30
  text "7.96mil" at 2726.31,8827.6 h30
  text "4.2" at 3057.23,8827.6 h30
  text "5" at 1608.6,8767.6 h30
  text "L2" at 1819.55,8767.6 h30
  text "Copper" at 2290.43,8767.6 h30
  text "0.70mil" at 2726.31,8767.6 h30
  text "6" at 1608.6,8707.6 h30
  text "Core" at 1819.55,8707.6 h30
  text "FR-4" at 2290.43,8707.6 h30
  text "39.00mil" at 2726.31,8707.6 h30
  text "4.2" at 3057.23,8707.6 h30
  text "7" at 1608.6,8647.6 h30
  text "L3" at 1819.55,8647.6 h30
  text "Copper" at 2290.43,8647.6 h30
  text "0.70mil" at 2726.31,8647.6 h30
  text "8" at 1608.6,8587.6 h30
  text "Prepeg" at 1819.55,8587.6 h30
  text "FR408" at 2290.43,8587.6 h30
  text "7.96mil" at 2726.31,8587.6 h30
  text "4.2" at 3057.23,8587.6 h30
  text "4. UNLESS OTHERWISE SPECIFIED, BOARD SHALL MEET THE REQUIREMENTS OF IPC-6011" at -12062.6,8562.6 h200
  text "9" at 1608.6,8527.6 h30
  text "L4" at 1819.55,8527.6 h30
  text "Copper" at 2290.43,8527.6 h30
  text "1.70mil" at 2726.31,8527.6 h30
  text "10" at 1608.6,8467.6 h30
  text "Bottom Solder" at 1819.55,8467.6 h30
  text "Solder Resist" at 2290.43,8467.6 h30
  text "1.00mil" at 2726.31,8467.6 h30
  text "0" at 3057.23,8467.6 h30
  text "11" at 1608.6,8407.6 h30
  text "Bottom Overlay" at 1819.55,8407.6 h30
  text "A" at -13200.38,8316.89 h200
  text "A" at 19803.03,8316.89 h200
  text "CLASS 2, AND IPC-6012, TYPE 2." at -11862.6,8262.6 h200
  text "OVERALL HEIGHT = 0.xxx +/- 10%" at 1558.62,8034.4 h200
  text "5. MATERIAL: POLYCLAD 370HR OR EQUIVALENT IAW IPC-4101. THIS BOARD IS INTENDED FOR LEAD-FREE" at -12062.6,7962.6 h200
  text "TOP AND BOTTOM LAYER COPPER THICKNESS SPECIFIED AFTER PLATING" at 1558.62,7759.17 h200
  text "ASSEMBLY (RoHS COMPLIANT). FLAMMABILITY RATING OF 94V-0 OR BETTER REQUIRED. BOARD MUST BE UL" at -11862.6,7662.6 h200
  text "RECOGNIZED AND VENDOR SHALL AFFIX UL LISTING DESIGNATION ON PRINTED CIRCUIT BOARD." at -11862.6,7362.6 h200
  text "A. BASE LAMINATE: WOVEN GLASS BASED EPOXY RESIN." at -11862.6,7062.6 h200
  text "SEE STACK DETAIL FOR COPPER WEIGHT, SUBSTRATES, AND FINISHED BOARD THICKNESS" at -11612.6,6762.6 h200
  text "B. BONDING AGENT: PREIMPREGNATED B-STAGE EPOXY CLOTH (GF)" at -11862.6,6462.6 h200
  text "C. FINISH TO BE DONE USING IMMERSION GOLD (ENIG) 3-6 MICROINCHES OVER NICKEL 100 MICROINCHES MIN." at -11862.6,6162.6 h200
  text "FULL BODY IMMERSION GOLD ACCEPTED." at -11612.6,5862.6 h200
  text "D. SILKSCREEN TO BE DONE USING NON-CONDUCTIVE WHITE EPOXY INK. VENDOR MAY VIA CAP OR PLUG VIAS" at -11862.6,5562.6 h200
  text "BEFORE FINAL SOLDERMASK TO AVOID TRIMMING OF SILKSCREEN. SILKSCREEN INK NOT ALLOWED ON ANY" at -11612.6,5262.6 h200
  text "EXPOSED ETCH. VENDOR TO DETERMINE BEST PROCESS TO ENSURE THIS." at -11612.6,4962.6 h200
  text "E. SOLDERMASK OVER BARE COPPER FOLLOWED BY PLATING PER LAYER STACKUP." at -11862.6,4662.6 h200
  text "SOLDERMASK IS TO BE FREE OF SHADED AREAS, AND IS TO BE BLACK, TYPE B1, CLASS 2, IAW IPC-SM-840." at -11612.6,4362.6 h200
  text "6. FINAL TRACES WIDTHS AND LAND SIZES REPRESENTED BY ARTWORK. THE FINAL" at -12062.6,4062.6 h200
  text "CONDUCTOR WIDTH SHALL BE +/- 0.001\" OF THE ORIGINAL ARTWORK TRACE. THE PCB" at -11862.6,3762.6 h200
  text "MANUFACTURER IS DIRECTED TO INFLATE FEATURES IN THE SUPPLIED GERBER FILES, AS" at -11862.6,3462.6 h200
  text "NECESSARY, TO COMPENSATE FOR THE ETCHBACK IN THE PCB MANUFACTURER'S PROCESS." at -11862.6,3162.6 h200
  text "7. MANUFACTURER TO INSERT COMPANY LOGO AND DATE CODE IN BOTTOM SILKSCREEN," at -12087.6,2862.6 h200
  text "B" at -13202.36,2810.62 h200
  text "B" at 19801.05,2810.62 h200
  text "USING PREFERRED METHOD (NON-CONDUCTIVE)." at -11862.6,2562.6 h200
  text "8. UNLESS OTHERWISE SPECIFIED:" at -12087.6,2262.6 h200
  text "A. ALL HOLES TO BE CONCENTRIC WITH PAD CENTER WITHIN +/- 0.005\"." at -11862.6,1962.6 h200
  text "B. ALL HOLE DIAMETERS TO BE WITHIN +/- 0.003\" OF SPECIFIED DIAMETER." at -11862.6,1662.6 h200
  text "C. PLATED THROUGH HOLE DIAMETERS SPECIFIED AFTER PLATING." at -11862.6,1362.6 h200
  text "9. FABRICATE AND TEST BOARD, TYPE 2, CLASS 1, LEVEL A, PER IPC-D-275. VENDOR MUST USE IPC D 356 NETLIST" at -12062.6,1062.6 h200
  text "PROVIDED PRIOR TO BOARD FABRICATION AND REPORT ANY DISCREPANCIES WHEN COMPARED WITH THE GERBERS." at -11862.6,762.6 h200
  text "10. INFORMATION IN PARENTHESIS IS FOR REFERENCE ONLY." at -12062.6,462.6 h200
  text "11. MAINTAIN CONTROLLED IMPEDANCES:" at -12074.29,134.08 h200
  text "A. HS-USB - Bottom Layer differential pair; 90 ohms differential impedance; Length differences < 25 mils" at -11880.79,-138.74 h200
  text "Trace Width = 15.0mils; Inside Gap = 6.3mils. (Microstrip Differential Pair)" at -11637.83,-426.2 h200
  text "12. VENDOR IS ALLOWED TO DO THE FOLLOWING:" at -12101.1,-746.7 h200
  text "A. FOLLOW BOARD OUTLINE FOR SIZE OF BOARD." at -11880.79,-1043.2 h200
  text "B. REMOVE INTERNAL NON FUNCTIONAL PADS." at -11880.79,-1339.69 h200
  text "C. ADD TEAR DROPPING" at -11880.79,-1636.19 h200
  text "D. REMOVE SOLDERMASK SLIVERS LESS THAN 0.003 TO ENHANCE PRODUCABILITY." at -11880.79,-1932.68 h200
  text "C" at -13179.35,-2680.46 h200
  text "C" at 19824.06,-2680.46 h200
  text "Scale  3:1" at 11181.1,-4606.3 h500
  text "DFTG" at 10837.4,-7708.51 h100
  text ".NameDftg" at 11357.4,-7708.51 h100
  text ".DateDftg" at 12917.4,-7708.51 h100
  text "UNLESS OTHERWISE SPECIFIED," at 8677.4,-7878.51 h80
  text "MATERIAL:" at 6190.4,-7887.4 h100
  text "ENG" at 10837.4,-7968.51 h100
  text ".NameEng" at 11357.4,-7968.51 h100
  text ".DateEng" at 12917.4,-7968.51 h100
  text "INCHES" at 10097.4,-8017.4 h80
  text "DIMENSIONS ARE IN" at 8677.4,-8018.51 h80
  text "D" at -13189.27,-8180.44 h200
  text "D" at 19814.13,-8180.44 h200
  text "MECH" at 10837.4,-8188.51 h100
  text "*" at 11357.4,-8208.51 h100
  text "*" at 12917.4,-8208.51 h100
  text "TITLE:" at 14451.98,-8288.52 h100
  text "TOLERANCES:" at 8677.4,-8328.51 h100
  text "SEE NOTES" at 6262.4,-8407.4 h100
  text "MFG" at 10837.4,-8448.51 h100
  text "*" at 11357.4,-8448.51 h100
  text "*" at 12917.4,-8468.51 h100
  text ".X +/- 0.1" at 8717.4,-8508.29 h100
  text ".XX +/- 0.01" at 8717.4,-8628.29 h100
  text ".TitlePCB" at 14707.4,-8637.4 h220
  text ".XXX +/- 0.005" at 8717.4,-8748.29 h100
  text ".Title0" at 16287.4,-9037.4 h220
  text "THIRD ANGLE PROJECTION" at 6247.4,-9203.4 h100
  text "ALL SHEETS ARE THE" at 8857.4,-9364.74 h100
  text ".Title1" at 15237.4,-9387.4 h220
  text "SAME REVISION STATUS" at 8764.9,-9544.74 h100
  text "SIZE" at 14457.4,-9668.51 h100
  text "DRAWING NUMBER" at 14837.4,-9668.51 h100
  text "REV" at 19052.83,-9729.57 h120
  text "D" at 14459.06,-9977.22 h200
  text ".DocNumberPCB" at 14837.4,-9987.4 h260
  text ".Rev" at 19037.4,-9987.4 h200
  text "1" at 18437.4,-10187.4 h100
  text "1" at 19037.4,-10187.4 h100
  text "1:1" at 14987.4,-10197.4 h100
  text "SCALE" at 14435.22,-10204.28 h100
  text "SHEET   OF" at 17817.38,-10212.74 h100
  text "8" at 18127.4,-10627.4 h200
  text "1" at -11537.6,-10637.4 h200
  text "2" at -7302.88,-10676.52 h200
  text "4" at 1203.92,-10676.52 h200
  text "3" at -3051.15,-10682.81 h200
  text "5" at 5455.86,-10682.81 h200
  text "6" at 9705.75,-10682.81 h200
  text "7" at 13956.67,-10682.81 h200
PCB_SHEET2:
  lines w7.8: -12457.17,10292.82 -6169.17,10292.82 ; -12457.17,10492.82 -6169.17,10492.82 ; -11154.17,10297.82 -11153.96,10712.73 ; -9869.17,10277.82 -9869.17,10712.82 ; -6669.17,10067.82 -6669.17,10712.82 ; -13462.6,-10779.4 -13462.6,11212.82 ; -13462.6,-10779.4 20530.83,-10779.4 ; -13462.6,-10779.4 20530.83,-10779.4 ; -13462.6,-10779.4 -13462.6,11212.82 ; -13462.6,11212.82 20530.83,11212.82 ; -13462.6,11212.82 20530.83,11212.82 ; 20530.83,-10779.4 20530.83,11212.82 ; 20530.83,-10779.4 20530.83,11212.82
  lines w23.6: -13219.76,-5037.3 -12469.76,-5037.3 ; -13219.76,5712.66 -12469.76,5712.66 ; -12469.78,10712.62 -12469.78,-10287.28 ; -12469.76,-9537.28 -7349.78,-9537.28 ; -11878.78,-10037.28 -11878.78,-9537.28 ; -10719.78,-10287.28 -10719.78,-10037.28 ; -9219.78,-10662.27 -9219.78,-10287.28 ; -7349.79,-10282.18 -7349.79,-9552.28 ; -6173.96,10042.82 -6173.96,10712.73 ; -4969.79,-10662.27 -4969.79,-10287.28 ; -4969.79,10712.62 -4969.79,11087.62 ; -719.8,-10662.27 -719.8,-10287.28 ; -719.8,10712.62 -719.8,11087.62 ; 7780.19,-10662.27 7780.19,-10287.28 ; 7780.19,10712.62 7780.19,11087.62 ; 12030.18,-10662.27 12030.18,-10287.28 ; 16280.17,-10662.27 16280.17,-10287.28 ; 16280.17,10712.62 16280.17,11087.62 ; 19530.16,5712.66 20280.16,5712.66 ; 19530.16,10712.73 -12470.28,10712.73 ; 19555.16,-5037.3 20305.16,-5037.3 ; -12470.28,10712.73 -12470.28,9906.55 -12470.28,10712.73 ; -12469.78,-10287.28 19530.16,-10287.28 ; -12469.78,-10287.28 19530.16,-10287.28 ; -12469.78,-10287.28 19530.16,-10287.28 ; -12469.78,-10287.28 19530.16,-10287.28 ; -12469.76,-10037.28 -7349.78,-10037.28 ; -12469.76,-10037.28 -7349.78,-10037.28 ; -12469.76,-10037.28 -7349.78,-10037.28 ; -12469.76,-10037.28 -7349.78,-10037.28 ; -9619.77,10712.62 -9619.77,11092.62 ; -9619.77,10712.62 -9619.77,11092.62 ; -9619.77,10712.62 -9619.77,11092.62 ; -9619.77,10712.62 -9619.77,11092.62 ; -9619.77,10712.62 -9619.77,11092.62 ; -9619.77,10712.62 -9619.77,11092.62 ; -9619.77,10712.62 -9619.77,11092.62 ; -9619.77,10712.62 -9619.77,11092.62 ; -9619.77,11092.62 -6173.17,11092.62 ; -9619.77,11092.62 -6369.78,11092.62 -9619.77,11092.62 ; -9619.77,11092.62 -6173.17,11092.62 ; -9119.77,10712.62 -9119.77,11092.62 ; -9119.77,10712.62 -9119.77,11092.62 ; -9119.77,10712.62 -9119.77,11092.62 ; -9119.77,10712.62 -9119.77,11092.62 ; -6173.17,11092.62 -6173.17,10712.62 -6173.17,11092.62 ; 12030.18,10712.62 12030.18,11087.62 ; 12030.18,10712.62 12030.18,11087.62 ; 12030.18,10712.62 12030.18,11087.62 ; 12030.18,10712.62 12030.18,11087.62 ; 19530.16,-10287.28 19530.16,10404.66 19530.16,-10287.28 ; 19530.16,-10287.28 19530.16,10712.62 ; 19530.16,-10287.28 19530.16,10712.62 ; 19530.16,-10287.28 19530.16,10712.62 ; -12869.77,182.68 -12869.77,242.68 -12669.77,242.68 -12669.77,312.68 -12469.78,212.68 -12669.77,112.68 -12669.77,182.68 -12869.77,182.68 ; 3430.21,-10487.27 3530.2,-10287.28 3630.2,-10487.27 3560.21,-10487.27 3560.21,-10687.27 3500.2,-10687.27 3500.2,-10487.27 3430.21,-10487.27 ; 3430.21,10912.62 3530.2,10712.62 3630.2,10912.62 3560.2,10912.62 3560.2,11112.61 3500.2,11112.61 3500.2,10912.62 3430.21,10912.62 ; 19530.16,212.68 19730.17,112.68 19730.17,182.68 19930.17,182.68 19930.17,242.68 19730.17,242.68 19730.17,312.68 19530.16,212.68
  text "SH" at -9152.37,10970.97 h100
  text "DWG NO" at -6193.61,10954.66 h100
  text ".DocNumberPCB" at -6849.17,10842.82 h120
  text "8" at -10842.71,10823.61 h200
  text "4" at 5864.3,10823.61 h200
  text "2" at 14371.11,10823.61 h200
  text "6" at -2637.52,10817.32 h200
  text "5" at 1612.37,10817.32 h200
  text "3" at 10119.38,10817.32 h200
  text "3" at 10119.38,10817.32 h200
  text "1" at 18612.37,10817.32 h200
  text "1" at -9349.17,10802.82 h120
  text "REVISION HISTORY" at -7229.17,10551.71 h100
  text "APPROVED" at -11569.17,10312.82 h100
  text "DATE" at -10369.17,10312.82 h100
  text "DESCRIPTION" at -8069.17,10312.82 h100
  text "REV" at -6269.17,10312.82 h100
  text "SEE SHEET 1" at -6769.17,10112.82 h100
  text "A" at -12734.8,8317.11 h200
  text "A" at 20268.6,8317.11 h200
  text "B" at -12732.82,2810.84 h200
  text "B" at 20270.59,2810.84 h200
  text "C" at -12755.83,-2680.24 h200
  text "C" at 20247.58,-2680.24 h200
  text "Scale  3:1" at 13057.98,-4607.89 h500
  text "D" at -12745.91,-8180.22 h200
  text "D" at 20257.5,-8180.22 h200
  text "REV" at -11984.6,-9729.35 h120
  text ".DocNumberPCB" at -7594.17,-9937.18 h200
  text ".Rev" at -11969.17,-9987.18 h200
  text "2" at -11969.17,-10187.18 h100
  text "SHEET 2 OF" at -10749.15,-10212.52 h100
  text "8" at -11059.17,-10627.18 h200
  text "1" at 18612.4,-10637.18 h200
  text "4" at 5864.3,-10676.3 h200
  text "2" at 14371.11,-10676.3 h200
  text "7" at -6888.45,-10682.59 h200
  text "6" at -2637.52,-10682.59 h200
  text "5" at 1612.37,-10682.59 h200
  text "3" at 10119.38,-10682.59 h200
BOARD OUTLINE:
  the board outline again, w10

## Dimensions
0,1574.8 to 0,0 on ASSY_TOP
0,0 to 3937.01,0 on ASSY_TOP

## Panel: embedded boards
"PowerSupply-Motherboard.PcbDoc" at 4543.31,-4145.67, 1 rows x 1 columns, spacing 2500 x 1500, rotation 0

## Text inside footprints (layer, text, board x,y; h text height)
J1: Mechanical 13 "PCB EDGE" at 180.1,1571.75 h16 r180
J5: Top Overlay "HVC" at 3425.2,807.09 h60
Y1: Top Overlay "o" at 1282.79,981.55 h10 r90